# KiCad board DAB.kicad_pcb (continued)
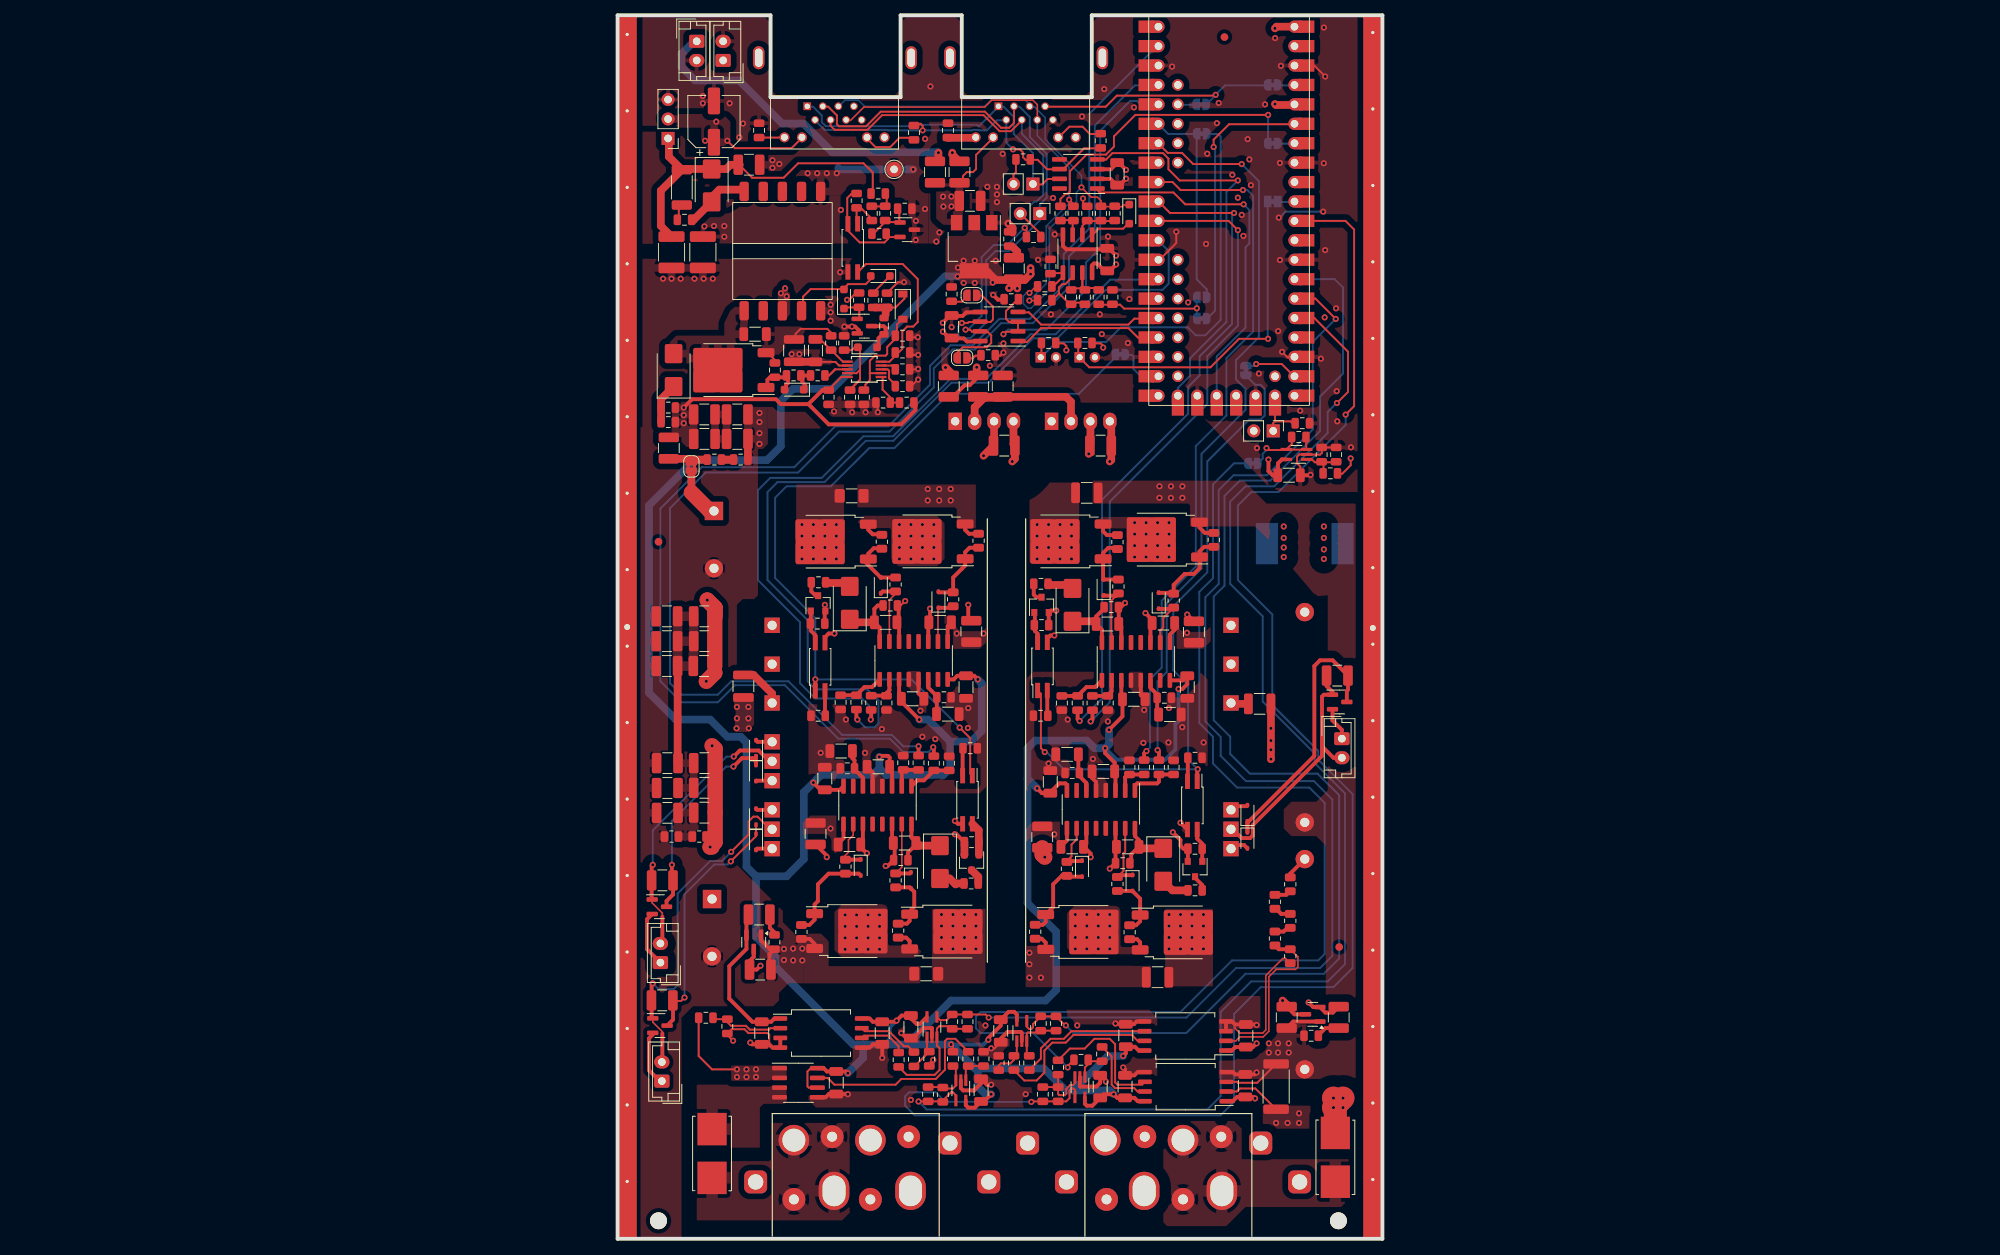
[diagram p0: board, top side]
## Routing (per net, layer and track width the routed paths; a pad name or vN(x,y) marks a point on that pad's centre or on a via; arc(x,y) is an arc through that point) (continued)
  vias: v1(54.85,93.4) v1(54.85,91.9) v1(54.85,90.4) v1(54.85,88.9) v1(56.35,93.4) v1(56.35,91.9) v1(56.35,90.4) v1(56.35,88.9) v1(57.85,93.4) v1(57.85,91.9) v1(57.85,90.4) v1(57.85,88.9) v1(59.35,93.4) v1(59.35,91.9) v1(59.35,90.4) v1(59.35,88.9) v1(72.1,42.4) v1(72.1,40.9) v1(72.1,39.4) v1(72.1,37.9) v1(73.6,42.4) v1(73.6,40.9) v1(73.6,39.4) v1(73.6,37.9) v1(75.1,42.4) v1(75.1,40.9) v1(75.1,39.4) v1(75.1,37.9) v1(76.6,42.4) v1(76.6,40.9) v1(76.6,39.4) v1(76.6,37.9)
/I_{IHighmeasured}: length 179.3
  Top w0.25: U304.4 44.23,18.77 43.85,19.15 43.6,19.15 42.52,18.08 R310.2 42.46,17.96 C322.2 39.36,17.96 v1(39.35,17.95) ; 89.85,120.41 91.1,120.41 95.5,116.01 95.5,110.74 v1(94.05,109.29)
  Bottom w0.25: v1(94.05,109.29) 94,109.29 92.85,108.14 92.85,105.4 85.85,98.4 82.1,98.4 80.1,96.4 80.1,85.65 84.35,81.4 84.35,70.25 91.15,63.45 91.15,62.2 95.1,58.25 95.1,35.9 92.85,33.65 82.85,33.65 78.85,29.65 78.85,18.65 77.1,16.9 40.4,16.9 v1(39.35,17.95)
/I_{IIHighmeasured}: length 220.1
  Top w0.25: v1(54.1,17.9) 54.16,17.96 C507.2 R508.2 58.66,17.96 59.1,18.4 59.1,19.4 59.35,19.65 59.6,19.65 59.8,19.45 U503.4 ; 88.15,133.11 95.17,133.11 96.3,131.98 96.3,108.89 v1(95.19,107.78)
  Bottom w0.25: v1(54.1,17.9) 42.85,17.9 41.6,19.15 38.1,19.15 37.6,18.65 37.6,17.4 38.85,16.15 78.85,16.15 80.6,17.9 80.6,29.4 84.1,32.9 93.6,32.9 96.1,35.4 96.1,58.15 91.6,62.65 91.6,63.8 85.6,69.8 85.6,81.65 81.1,86.15 81.1,95.9 82.85,97.65 86.41,97.65 95.19,106.44 v1(95.19,107.78)
/Low_voltage_bridge/Driver1/PWM_H: length 8.9
  Top w0.2: RGH301.1 36.35,84.35 35.54,83.54 U202.15
  Top w0.5: D301.1 34.41,84.41 34.65,84.65 RGH301.1
/Low_voltage_bridge/Driver1/PWM_L: length 6.4
  Top w0.2: D302.1 41.89,82.45 U202.10
  Top w0.5: D302.1 43.68,82.51 RGL301.1
/Low_voltage_bridge/Driver/PWM_H: length 8.8
  Top w0.2: U702.15 37.16,48.58 RGH302.1
  Top w0.5: RGH302.1 38.21,47.78 D304.1
/Low_voltage_bridge/Driver/PWM_L: length 7
  Top w0.2: U702.10 30.81,52.75 30.79,52.75 30.19,52.15 30.19,50.55 29.49,49.85
  Top w0.5: D303.1 31.76,49.58 RGL302.1
/Low_voltage_bridge/I_{IHigh}_{DGND}: length 25.5
  Top w0.25: R307.1 44.16,26.15 43.1,26.15 42.8,25.85 42.8,22.1 41.6,20.9 37.1,20.9 36.35,20.15 28.35,20.15 27.46,21.03 U301.7
/Low_voltage_bridge/SW_Node1: length 26.4
  Top w0.25: v1(37.6,83.4) 37.01,82.81 C207.2
  Top w0.5: Q301.3 32.78,92.71 33.35,92.13 34.55,92.13 ; U202.14 36.81,80.33 C206.2 36.75,80.84 36.75,82.65 C207.2
  In1.Cu w0.5: v1(37.6,83.4) 37.1,83.4 36.35,84.15 36.35,85.9 35.85,86.4 34.35,86.4 32.35,88.4 32.35,92.65 33.1,93.4 v1(36.85,93.4)
  vias: v1(36.85,91.9) v1(36.85,90.4) v1(36.85,88.9) v1(38.35,93.4) v1(38.35,91.9) v1(38.35,90.4) v1(38.35,88.9) v1(39.85,93.4) v1(39.85,91.9) v1(39.85,90.4) v1(39.85,88.9) v1(41.35,93.4) v1(41.35,91.9) v1(41.35,90.4) v1(41.35,88.9)
/Low_voltage_bridge/SW_Node2: length 17.2
  Top w0.5: RpdH302.1 37.73,39.38 38.19,38.93 Q303.3 ; v1(35.05,48.75) 35.32,48.75 C707.2 36.23,49.66 36.23,51.72 35.89,52.06 U702.14
  In1.Cu w0.5: v1(35.05,48.75) 34.25,47.95 v1(34.25,40.85)
  vias: v1(15.6,69.55) v1(15.6,68.05) v1(15.55,66.75) v1(17.1,69.55) v1(17.1,68.05) v1(17.15,66.75) v1(29.75,42.35) v1(29.75,40.85) v1(29.75,39.35) v1(29.75,37.85) v1(31.25,42.35) v1(31.25,40.85) v1(31.25,39.35) v1(31.25,37.85) v1(32.75,42.35) v1(32.75,40.85) v1(32.75,39.35) v1(32.75,37.85) v1(34.25,42.35) v1(34.25,39.35) v1(34.25,37.85)
/Low_voltage_bridge/V_{IHigh}_{GND}_{+}: length 9.7
  Top w0.25: R305.2 12.66,28.71 R306.1 14.35,28.33 14.83,27.85 16.79,27.85 17.29,27.35 19.8,27.35 19.98,27.53 U302.2
/Microcontroller/A: length 80.6
  Top w0.25: 46.97,123.33 47.65,123.33 49.07,121.91 49.07,120.21 48.74,119.88 45.91,119.88 45.79,119.76 v1(45.01,119.76) ; 26.83,148.04 27.54,148.04 28.67,146.91 28.67,145.76 28.94,145.49 32.5,145.49 34.4,147.39 48.04,147.39 50.14,145.29 51.2,145.29 51.83,145.92 51.83,148.04
  Bottom w0.25: 51.83,148.04 52.55,148.04 53.9,146.69 53.9,144.09 56.1,141.89 56.1,136.13 55.2,135.23 55.2,133.16 51.18,129.15 49.4,129.15 48.2,127.95 48.2,119.82 46.16,117.79 44.89,117.79 44.55,118.14 44.55,119.3 v1(45.01,119.76)
/Microcontroller/ADC2_IN5: length 35.4
  Top w0.25: 88.5,145.75 79.95,145.75 77.93,143.74 v1(77.93,142.77)
  Bottom w0.25: v1(77.93,142.77) 78.12,142.58 78.12,121.38 77.03,120.28
/Microcontroller/ADC3_IN12: length 2.2
  Bottom w0.25: 86.3,135.59 88.5,135.59
/Microcontroller/ADC4_IN5: length 27.7
  Bottom w0.25: 77.03,122.82 77.03,124.16 75.72,125.47 75.72,144.46 75.7,144.48 71.99,144.48 70.72,145.75
/Microcontroller/B: length 74
  Top w0.25: 44.4,115.14 44.4,115.85 45.14,116.59 48.3,116.59 48.85,117.15 48.85,118.14 48.38,118.61 46.36,118.61 46.08,118.89 v1(45.5,118.89) ; 52.85,146.26 51.43,144.84 49.95,144.84 47.85,146.94 34.59,146.94 32.68,145.03 28.37,145.03 27.85,145.56 27.85,146.26 ; v1(53.23,132.22) 53.46,131.98 53.46,130.96 53.46,130.95
  Bottom w0.25: 52.85,146.26 52.85,144.51 55.65,141.71 55.65,136.52 54.77,135.64 54.48,135.64 53.94,135.1 53.94,132.93 v1(53.23,132.22) 50.96,129.95 49.2,129.95 47.6,128.35 47.6,120.69 45.8,118.89 v1(45.5,118.89)
/Microcontroller/BOOT0: length 5.6
  Top w0.25: 85.64,105.39 85.68,105.43 85.68,106.61 85.96,106.89 ; 85.96,106.89 87.97,106.89 88.18,106.69 ; 85.96,106.89 85.96,108.59
/Microcontroller/CAN_H: length 43.9
  Top w0.25: 57.6,138.59 56.23,138.59 55.52,137.88 54.3,137.88
  Bottom w0.25: 54.3,137.88 54.3,141.99 51.79,144.5 51.79,146.73 50.48,148.04 49.8,148.04 47.22,145.46 47,145.68 39.34,145.68 39.16,145.5 32.26,145.5 32.25,145.5 27.22,145.5 26.7,146.01 26.7,146.89 25.55,148.04 24.7,148.04
/Microcontroller/CAN_L: length 46.3
  Top w0.25: 63.16,142.6 60.99,142.6 58.25,139.86 56.16,139.86 54.92,141.1 53.34,141.1 53.02,141.42 53.02,142.04 52.6,142.47 v1(51.7,142.47) ; v1(39.89,144.95) 39.89,145.55 39.64,145.81 38.6,145.81
  Bottom w0.25: 25.82,146.26 25.82,146.26 27.07,145.01 35.3,145.01 35.36,144.95 46.35,144.95 46.41,145.01 47.22,145.01 47.28,144.95 48.27,144.95 49.58,146.26 50.82,146.26 50.82,143.35 v1(51.7,142.47)
/Microcontroller/DAC2: length 2.3
  Bottom w0.25: 86.36,143.19 86.3,143.19 86.32,143.21 88.5,143.21
/Microcontroller/FDCAN2_{RX}: length 52.7
  Top w0.25: v1(81.1,138.4) 73.48,138.4 72.02,139.86 72.02,141.26 71.31,141.97 64.7,141.97 63.86,141.13 62.55,141.13
  Bottom w0.25: 73.26,110.19 73.26,111.27 74.85,112.86 74.85,115.15 79.6,119.9 79.6,136.9 v1(81.1,138.4)
/Microcontroller/FDCAN2_{TX}: length 47.3
  Top w0.25: v1(81.85,135.28) 74.22,135.28 72.67,136.83 63.04,136.83 62.55,137.32
  Bottom w0.25: 78.34,110.19 78.34,115.39 82.1,119.15 82.1,129.65 82.6,130.15 82.6,134.53 v1(81.85,135.28)
/Microcontroller/HRTIM_SYNC: length 57.7
  Top w0.25: 55.9,148.04 63.82,148.04 65.27,149.49 78.09,149.49 v1(78.2,149.6)
  In2.Cu w0.25: 30.9,148.04 48.25,148.04 49.09,147.2 55.05,147.2 55.9,148.04
  Bottom w0.25: 76.95,148.29 78.2,149.54 ; v1(78.2,149.6) 78.2,149.62 79.41,150.83 85,150.83
/Microcontroller/PB1_HRTIM_SCOUT: length 2.2
  Bottom w0.25: 88.5,150.83 86.3,150.83
/Microcontroller/PB2_HRTIM_SCIN: length 2.4
  Bottom w0.25: 75.65,148.29 73.26,148.29
/Microcontroller/PC12: length 6.8
  Top w0.25: 69,112.71 69.35,112.71
  Bottom w0.25: 66.38,115.59 67.23,115.59 67.45,115.37 67.45,113.74 68.46,112.73 70.72,112.73
/Microcontroller/PC13: length 7.1
  Top w0.25: v1(83.5,114.39) 86.84,114.39 88.5,112.73
  Bottom w0.25: 82.15,114.14 83.25,114.14 v1(83.5,114.39)
/Microcontroller/SHARE+: length 70.7
  Top w0.2: 63.2,134.97 63.2,135.75 62.74,136.2 61.94,136.2 v1(60.65,137.49) ; v1(53.85,123.69) 54.65,124.49 54.91,124.49 ; 66.9,135.19 66.21,135.19 65.99,134.98 63.71,134.98
  Bottom w0.2: 28.86,148.04 29.72,148.9 31.49,148.9 32.3,148.09 48,148.09 48.81,148.91 53.29,148.91 53.86,148.33 53.86,148.04 54.49,148.04 55.9,146.63 55.9,143.8 60.65,139.05 v1(60.65,137.49) 60,136.84 60,135.64 56.45,132.09 56.45,124.09 54.05,121.69 53.65,121.69 53.05,122.29 53.05,123.29 53.45,123.69 v1(53.85,123.69)
/Microcontroller/SHARE-: length 58.1
  Top w0.2: 59.6,134.97 59.6,135.32 v1(59.03,135.89) ; 54.88,146.26 54.88,148.31 54.29,148.9 48.91,148.9 48,147.99 32.2,147.99 30.47,146.26 29.88,146.26 ; v1(53.84,122.69) 53.84,122.69 54.91,122.69
  Bottom w0.2: 54.88,146.26 54.88,144.25 59.03,140.1 v1(59.03,135.89) 59.03,135.42 56.05,132.44 56.05,124.9 53.84,122.69 v1(53.84,122.69)
/Microcontroller/Temp: length 54.3
  Top w0.25: 55.32,115.22 55.41,115.31 55.41,117.09
  Bottom w0.25: 55.32,115.22 57.38,117.27 63.88,117.27 65.8,119.19 74.56,119.19 75.6,118.15 76.85,118.15 78.85,120.15 78.85,144.14 78.52,144.47 77.03,144.47 77.02,144.46
/Microcontroller/Temp2: length 46.8
  Top w0.25: 60.41,115.22 61.67,113.96 77.52,113.96 81.25,117.69 v1(85.05,117.69) ; 60.23,114.99 60.23,117.03 60.16,117.09
  Bottom w0.25: 85,135.59 85,117.74 v1(85.05,117.69)
/Microcontroller/USART3_DE: length 53.3
  Top w0.25: 68.74,147.91 69.12,148.29 69.33,148.29 69.35,148.27 ; v1(50.45,118.29) 50.77,118.61 52.35,118.61 52.35,119.88 51.21,119.88 50.77,120.32 50.77,121.31 52.27,122.81 52.41,122.81
  Bottom w0.25: 70.72,148.29 68.42,148.29 67.92,148.79 67,148.79 63.1,144.89 63.1,129.54 61.25,127.69 61.25,124.09 56.05,118.89 51.05,118.89 v1(50.45,118.29)
/Microcontroller/USART3_RX: length 17.7
  Top w0.25: 52.78,117.28 53.54,117.28 55.36,119.09 66.79,119.09 68.02,117.86 69.25,117.86
/Microcontroller/USART3_TX: length 18
  Top w0.25: 69.35,120.33 67.57,120.33 66.78,119.54 55.39,119.54 53.78,121.15 52.35,121.15
/PWM_H1: length 114.9
  Top w0.5: R201.1 31.22,68.03 v1(31.35,67.9)
  Bottom w0.25: v1(31.35,67.9) 32.35,66.9 33.6,66.9 34.1,67.4 34.1,70.4 32.65,71.85 25.9,71.85 24.85,72.9 24.85,80.9 19.6,86.15 19.6,97.65 20.9,98.95 27.06,98.95 32.46,104.35 36.05,104.35 43.65,111.95 48.51,111.95 54.33,117.77 57.5,117.77 63.82,124.09 71.25,124.09 72.05,124.89 72.05,129.18 70.72,130.51
/PWM_H2: length 168.2
  Top w0.5: v1(41.27,64.28) 41.35,64.19 R701.1
  Bottom w0.25: v1(41.27,64.28) 40.64,63.65 37.35,63.65 35.6,65.4 28.85,65.4 21.85,72.4 15.35,72.4 13.1,70.15 8.35,70.15 5.6,72.9 5.6,95.5 11,100.9 23.1,100.9 28.45,106.25 35.4,106.25 40.84,111.68 40.84,114.15 43.52,116.84 46.46,116.84 49.91,120.29 53.9,120.29 58.33,124.73 58.33,128.78 61.67,132.11 61.67,147.1 70.48,155.91 70.72,155.91
/PWM_H3: length 86.8
  Top w0.25: v1(80.6,134.15) 72.22,134.15 U401.10
  Top w0.5: v1(60.41,67.71) 60.15,67.98 R901.1
  Bottom w0.25: v1(80.6,134.15) 80.35,133.9 80.35,119.65 76.1,115.4 76.1,112.9 74.6,111.4 74.6,107.9 63.35,96.65 63.35,70.65 v1(60.41,67.71)
/PWM_H4: length 97.5
  Top w0.25: 70.72,143.21 71.93,142 73.8,142 75.26,140.54 v1(81.6,140.54)
  Top w0.5: R801.1 70.78,63.72 v1(70.6,63.9)
  Bottom w0.25: v1(81.6,140.54) 83.85,138.29 83.85,117.9 80.85,114.9 80.85,112.4 82.1,111.15 82.1,108.4 76.35,102.65 76.35,87.65 71.8,83.1 71.8,74.1 70.6,72.9 v1(70.6,63.9)
/PWM_L1: length 104.7
  Top w0.5: R202.1 33.16,67.96 v1(33.1,67.9)
  Bottom w0.25: 70.72,125.43 64.41,125.43 57.27,118.29 54.02,118.29 48.18,112.45 43.51,112.45 36.01,104.95 32.14,104.95 26.69,99.5 19.95,99.5 18.35,97.9 18.35,86.15 23.85,80.65 23.85,72.65 25.85,70.65 31.96,70.65 33.1,69.51 v1(33.1,67.9)
/PWM_L2: length 160.1
  Top w0.5: R702.1 v1(39.35,64.4)
  Bottom w0.25: v1(39.35,64.4) 37.35,64.4 35.85,65.9 29.35,65.9 22.35,72.9 14.85,72.9 13.1,71.15 8.35,71.15 6.85,72.65 6.85,95.55 11.5,100.2 23.6,100.2 28.95,105.55 35.55,105.55 41.35,111.35 41.35,113.84 43.8,116.29 46.7,116.29 50.15,119.74 54.3,119.74 59.02,124.46 59.02,128.46 62.4,131.84 62.4,145.59 67.64,150.83 70.72,150.83
/PWM_L3: length 84.7
  Top w0.25: U401.11 79.89,133.11 v1(81.1,131.9)
  Top w0.5: R902.1 62.09,67.89 v1(61.85,67.65)
  Bottom w0.25: v1(81.1,131.9) 81.1,119.4 77.1,115.4 77.1,109.16 64.35,96.41 64.35,70.15 v1(61.85,67.65)
/PWM_L4: length 92.8
  Top w0.25: U401.9 72.56,138.19 73.6,137.15 v1(81.77,137.15)
  Top w0.5: R802.1 68.84,63.47 v1(69.15,63.78)
  Bottom w0.25: v1(69.15,63.78) 69.6,64.23 69.6,73.15 71.15,74.7 71.15,83.45 75.6,87.9 75.6,103.65 79.6,107.65 79.6,115.15 83.1,118.65 83.1,136.4 82.35,137.15 v1(81.77,137.15)
/V_{IBus}: length 44.6
  Top w0.25: v1(15.6,22.15) 12.35,22.15 10.6,23.9 R305.1
  Top w1: JP5001.1 9.65,97.6
  Top w2: C310.1 12.7,82.55 v1(11.73,83.53) 12.75,82.5 C306.1 ; v1(11.6,72.9) 12.7,74 12.7,74.1 ; 9.65,97.6 12.07,95.18 C304.1 ; v1(12.35,64.48) 12.75,64.08 C314.1 12.75,51.88 v1(12.1,51.22) 12.35,51.22
  vias: v1(15.6,21.15) v1(16.85,22.15) v1(16.85,21.15) v1(18.1,22.15) v1(18.1,21.15) v1(24.1,93.4) v1(24.1,91.9) v1(24.1,90.4) v1(24.1,88.9) v1(25.6,93.4) v1(25.6,91.9) v1(25.6,90.4) v1(25.6,88.9) v1(27.1,93.4) v1(27.1,91.9) v1(27.1,90.4) v1(27.1,88.9) v1(28.6,93.4) v1(28.6,91.9) v1(28.6,90.4) v1(28.6,88.9) v1(42.35,42.4) v1(42.35,40.9) v1(42.35,39.4) v1(42.35,37.9) v1(43.85,42.4) v1(43.85,40.9) v1(43.85,39.4) v1(43.85,37.9) v1(45.35,42.4) v1(45.35,40.9) v1(45.35,39.4) v1(45.35,37.9) v1(46.85,42.4) v1(46.85,40.9) v1(46.85,39.4) v1(46.85,37.9)
/V_{IHighmeasured}: length 165.8
  Top w0.25: v1(48.52,28.93) 48.12,29.33 C305.2 R304.2 43.01,28.59 42.17,28.59 U303.4 ; v1(93.9,120.29) 91.24,122.95 89.85,122.95
  Bottom w0.25: v1(48.52,28.93) 74.38,28.93 80.85,35.4 91.85,35.4 93.45,37 93.45,57.45 91.05,59.85 82.15,59.85 78.85,63.15 78.85,65.65 76.85,67.65 76.85,83.9 78.6,85.65 78.6,97.9 80.55,99.85 84.91,99.85 90.9,105.84 90.9,117.29 v1(93.9,120.29)
/V_{IIHighmeasured}: length 163.5
  Top w0.25: v1(58.6,27.9) 58.51,27.9 R507.2 C506.2 54.32,28.09 54.32,27.65 54.1,27.43 53.8,27.43 53.5,27.72 U504.4
  Bottom w0.25: v1(58.6,27.9) 59.6,26.9 74.35,26.9 82.1,34.65 92.35,34.65 94.35,36.65 94.35,58 91.53,60.83 82.68,60.83 80.1,63.4 80.1,65.65 77.95,67.8 77.95,84 79.35,85.4 79.35,97.15 81.35,99.15 85.35,99.15 91.85,105.65 91.85,110.15 94.85,113.15 94.85,124.4 93.76,125.49 U401.27
/~{STBY1}: length 107.9
  Top w0.25: v1(44.72,66.85) 46.1,65.47 46.1,60.85 U701.1
  Top w0.5: U201.1 v1(25.85,73.15)
  Bottom w0.25: v1(44.72,66.85) 38.42,73.15 v1(25.85,73.15) 25.85,81.15 20.6,86.4 20.6,96.9 22.1,98.4 27.89,98.4 32.89,103.4 36.2,103.4 43.3,110.5 60.31,110.5 65.05,115.24
/~{STBY2}: length 91.1
  Top w0.25: U901.1 55.35,71.27 55.35,64.15 v1(55.85,63.65)
  Top w0.5: U801.1 75.78,61.34 v1(75.85,61.4)
  Bottom w0.25: JP412.1 83.38,111.68 84.07,111.68 84.6,111.15 84.6,107.65 84.1,107.15 82.6,107.15 77.1,101.65 77.1,87.15 72.65,82.7 72.65,74.35 74.6,72.4 74.6,62.65 v1(75.85,61.4) 58.35,61.4 56.1,63.65 v1(55.85,63.65)
Vref_{DGND}: length 146.1
  Top w0.25: v1(58.85,22.4) 58.85,22.59 R506.1
  Bottom w0.25: JP5002.2 80.6,101.4 77.85,98.65 77.85,86.4 76.05,84.6 76.05,67.45 77.85,65.65 77.85,62.15 81,59 90.45,59 92.45,57 92.45,37.25 91.6,36.4 80.35,36.4 73.6,29.65 47.48,29.65 46.85,29.03 46.85,27.53 47.48,26.9 54.35,26.9 v1(58.85,22.4)
Net-(C101-Pad2): length 6
  Top w1: 16.45,73.73 17.77,73.73 20.2,71.3 T101.3
Net-(C102-Pad1): length 2.3
  Top w1: C102.1 80.32,69.95 T101.12
Net-(C306-Pad2): length 13.5
  Top w1: 7.9,74.1 7.85,74.15 C311.1 7.85,62.25 C313.1
Net-(C411-Pad1): length 7.5
  Top w0.25: 62.9,124.33 61.18,124.33 61.1,124.26 60.77,124.59 60.77,126.28 60.77,124.29 59.3,124.29
Net-(C1001-Pad2): length 2.9
  Top w0.5: C1001.2 19.91,40.66 20.51,40.06 R1001.2
Net-(C5002-Pad2): length 1.6
  Top w1: C5002.2 C5003.1
Net-(C5014-Pad2): length 1.8
  Top w1: 51.65,129.71 52.26,129.1 52.26,128.18
Net-(C5018-Pad2): length 3
  Top w0.5: 91.62,26.62 92.55,27.55 C5018.2
Net-(C5026-Pad2): length 2.2
  Top w0.25: 8,133.25 8,134.58 8.6,135.18
Net-(D201-A): length 3.3
  Top w1: D201.2 29.9,85.76 27.2,85.76
Net-(D201-K): length 9.3
  Top w0.5: U202.16 34.27,79.92 33.57,80.61 33.57,82.38 34.01,82.81 C207.1
  Top w1: D201.1 30.75,80.61 33.57,80.61
Net-(D301-A): length 8.1
  Top w0.5: 31.99,88.89 34.38,86.5 D301.2 34.44,86.48 RGH301.2 ; Q301.1 32.78,89.59 33.49,90.31 34.55,90.31
Net-(D302-A): length 9.9
  Top w0.5: RpdL301.2 46.02,90.37 45.44,89.8 Q302.1 45.44,88.04 43.88,86.48 RGL301.2 42.02,84.54 D302.2
Net-(D303-A): length 13.1
  Top w0.5: D303.2 31.54,47.75 RGL302.2 27.59,47.75 26.19,46.35 26.19,44.15 25.76,43.72 Q304.1 25.76,41.72 25.07,41.03 RpdL302.2
Net-(D304-A): length 7.8
  Top w0.5: RGH302.2 38.21,45.95 D304.2 38.79,45.38 38.79,43.43 38.35,42.99 ; Q303.1 38.19,41.58 37.82,41.21 RpdH302.2
Net-(D403-A): length 5.4
  Top w0.25: 62.04,131.23 62.9,132.09 66.1,132.09 66.8,132.79
Net-(D501-A): length 7.9
  Top w0.5: RGH501.2 67.32,45.48 68.32,44.47 Q501.1 68.32,41.53 67.8,41 RpdH501.2
Net-(D502-A): length 11.2
  Top w0.5: RpdL501.2 55.6,41.06 55.98,41.44 Q502.1 56.95,43.38 56.95,46.35 58.16,47.56 58.73,47.56 58.94,47.35 D502.2
Net-(D503-A): length 7.7
  Top w0.5: RpdH502.2 65.19,90.35 64.15,90.35 63.48,89.68 Q503.1 63.48,88.91 63.48,86.2 63.49,86.21 RGH502.2
Net-(D504-A): length 11.8
  Top w0.5: 70.71,84.47 72.61,84.47 RGL502.2 72.71,85.51 74.15,86.95 75.35,86.95 76.08,87.68 Q504.1 76.08,89.88 76.69,90.49 RpdL502.2
Net-(D601-K): length 27.4
  Top w0.5: v1(15.15,61.75) 16.25,62.85 17.65,62.85 18.1,62.4 ; 18.1,62.4 D602.1 ; 18.1,62.4 D601.1 ; U601.3 6.4,44.17 7.25,45.02 C601.1 7.1,47.02 v1(7.1,48.9)
  Bottom w0.25: v1(15.15,61.75) 14.2,61.75 7.1,54.65 v1(7.1,48.9)
Net-(D603-K): length 32.9
  Top w0.25: v1(8.75,31.55) 8.3,31.1 7.25,31.1 ; 18.1,54.15 D604.1 18.1,52.65 v1(14.8,49.35)
  Top w0.5: 7.25,31.1 7.25,28.65 U602.3 ; v1(14.8,49.35) 14.95,49.35
  Bottom w0.25: v1(14.8,49.35) 14.4,48.95 12.65,48.95 8.75,45.05 v1(8.75,31.55)
Net-(D605-K): length 35.9
  Top w0.5: U603.3 95.35,71.65 95.5,71.8 C603.1 93.5,75.65 91.85,75.65 91.1,74.9 91.1,63.15 82.35,54.4 82.35,53.16 D605.1
Net-(D701-A): length 3.5
  Top w1: R706.2 44.3,46.46 44.19,46.35 43.43,47.11 D701.2
Net-(D701-K): length 8.6
  Top w0.5: C707.1 37.96,50.51 39.18,51.72 38.43,52.47 U702.16
  Top w1: D701.1 39.49,51.41 39.18,51.72
Net-(D801-A): length 3.7
  Top w1: R806.2 72.54,45.56 D801.2
Net-(D801-K): length 8.6
  Top w0.5: U802.16 67.64,52.66 68.19,52.11 68.19,51.31 67.15,50.26 67.15,49.28 C807.1
  Top w1: D801.1 68.45,51.05 68.19,51.31
Net-(D901-A): length 3.4
  Top w1: 56.29,85.5 59.03,85.5 D901.2
Net-(D901-K): length 8.7
  Top w0.5: 63.79,82.59 62.57,81.39 62.57,80.4 63.32,79.65 U902.16
  Top w1: 62.57,80.4 62.22,80.75 D901.1
Net-(D5001-A): length 14
  Top w0.25: 32.4,110.98 32.4,111.69 32.98,112.27 32.98,113.19 ; 34.65,113.19 32.98,113.19 32.98,113.19 ; 32.98,113.19 32.98,114.82 33.65,115.49 35.05,115.49 35.25,115.69 35.25,116.63 36.51,117.89 36.51,119.56 37.2,120.24 37.5,120.24
Net-(D5002-A): length 4.9
  Top w0.5: 33.41,119.34 34.8,119.34 35.05,119.09 35.04,119.08 35.04,118.28 34.64,118.28 34.12,117.76 34.12,116.57
Net-(D5003-A): length 8
  Top w0.25: 20.35,112.6 22.01,112.6 22.31,112.89
  Top w0.5: 22.03,111.03 22.03,111.67 22.28,111.92 22.28,112.89 22.05,112.66 19.92,112.66 19.59,112.32 19.59,111.33 19.61,111.31
Net-(D5003-K): length 3.3
  Top w0.5: 25.43,112.89 24.16,112.89 24.16,112.03 24.53,111.65 24.53,111.03
Net-(D5004-K): length 5.3
  Top w1: D5004.1 5.68,109.81 R5013.2
Net-(D5005-A): length 11.3
  Top w0.25: 24.25,122.15 24.25,123.2 25.24,124.19 29.5,124.19 30.15,124.84 32.45,124.84 33.3,125.69 33.3,125.89
Net-(D5005-K): length 3.2
  Top w0.25: 35.8,125.89 35.6,125.89 33.8,124.09 33.8,123.63
Net-(D5006-K): length 3.2
  Top w0.25: 31.6,121.66 31.46,121.79 29.95,121.79 29.75,121.59 ; 31.6,121.56 31.6,120.39
Net-(D5007-A): length 8.9
  Top w1: C5026.1 9.96,133.26 D5007.2 12.3,136.2 13.3,137.2 16.31,137.2 T5001.6
Net-(J403-Pad9): length 3.3
  Top w0.25: J403.9 21.79,144.01 R403.2
Net-(J403-Pad11): length 7.1
  Top w0.25: 32.51,143.98 33.72,142.77 35.65,142.77 36.86,143.98 38.6,143.98
Net-(J404-Pad9): length 3.5
  Top w1: 43.2,143.98 43.2,143.98 46.72,143.98
Net-(J404-Pad11): length 6.6
  Top w0.25: 57.61,143.98 59.06,145.43 60.79,145.43 61.75,144.47 63.16,144.47
Net-(JP401-B): length 3.4
  Top w0.25: 51.77,137.88 51.77,139.18 52.08,139.5 52.08,141.1
Net-(JP403-B): length 4.2
  Top w0.25: 52.63,134.08 55.24,131.48 55.24,131.05 55.33,130.95
Net-(JP408-A): length 2.3
  Top w0.25: 45.68,123.21 45.01,122.54 43.68,122.54
Net-(JP409-B): length 2
  Top w0.25: 45.7,115.14 46.46,115.14 46.81,115.49 47.51,115.49
Net-(JP410-B): length 15.6
  Top w0.25: 62.9,122.16 65.71,122.16 66.22,121.64 75.69,121.64 v1(75.73,121.68)
  Bottom w0.25: 75.73,120.28 75.73,122.82
Net-(JP417-B): length 38.9
  Top w0.25: v1(85.06,146.97) 67.7,146.97 64.9,144.17 64.9,142.83 63.85,141.78 61.31,141.78 59.15,139.62 59.15,136.95 58.84,136.64 58.56,136.64 57.9,135.98 57.9,134.97
  Bottom w0.25: v1(85.06,146.97) 85.06,146.97 85.06,143.19
Net-(JP5001-B): length 5.3
  Top w1: L5001.1 9.3,102 JP5001.2 9.9,101.9 C5002.1
Net-(JP5002-A): length 12.2
  Top w0.25: 87.66,103.19 86.85,103.19 89.51,103.19 ; v1(84.85,103.4) 85.1,103.15 87.37,103.15 88.16,103.95 88.16,104.84 ; 90.04,104.84 90.04,103.31 90.13,103.22
  Bottom w0.25: JP5002.1 84.35,102.03 84.35,102.65 84.85,103.15 v1(84.85,103.4)
Net-(L101-Pad1): length 21.3
  In3.Cu w2: v1(92.35,93.15) 92.35,89.4 88.5,85.55 82.75,85.55 80.21,83.01 T101.10
  vias: v1(92.35,91.65) v1(92.35,90.15) v1(92.35,88.9)
Net-(PS1001-+Vin): length 21
  Top w1: 48.7,110.1 C5027.1 ; PS1001.2 46.68,108.73 48.05,110.1 ; 49.7,110.1 58.64,110.1 59.28,109.46 PS5001.2 ; 47.6,109.99 50.8,109.99
Net-(Q201-D): length 2.3
  Top w0.5: R206.1 25.33,84.66 25.89,84.1 Q201.3
Net-(Q201-G): length 4.4
  Top w0.5: U201.4 25.85,78.94 25.26,79.53 Q201.1
Net-(Q701-D): length 2.1
  Top w1: R706.1 47.16,47.34 Q701.3
Net-(Q701-G): length 4.4
  Top w1: 46.38,54.27 47.23,53.43 R705.1 47.24,51.85 Q701.1
Net-(Q801-D): length 2.2
  Top w0.5: Q801.3 75.5,47.2 76.44,46.26 R806.1
Net-(Q801-G): length 4.4
  Top w0.5: Q801.1 76.44,49.36 R805.1 76.44,51.66 75.78,52.31 U801.4
Net-(Q901-D): length 2.6
  Top w0.5: Q901.3 54.75,83.9 54.41,84.24 R906.1
Net-(Q901-G): length 4.1
  Top w0.5: U901.4 54.91,79.14 54.56,79.49 54.56,81.82 Q901.1
Net-(Q5002-S): length 8
  Top w0.25: 28.12,118.08 28.12,118.29 27.42,118.99 23.92,118.99 23.27,118.34 23.27,117.61 ; 20.77,114.71 19.61,115.87
Net-(R204-Pad1): length 3.3
  Top w0.5: U201.2 27.12,68.44 R204.1
Net-(R704-Pad1): length 3.6
  Top w0.5: R704.1 45.12,64.1 U701.2
Net-(R804-Pad1): length 3.1
  Top w0.5: R804.1 74.56,59.86 U801.2
Net-(R904-Pad1): length 3.3
  Top w0.5: R904.1 56.18,68.46 U901.2
Net-(R5018-Pad1): length 3.4
  Top w0.25: 35.19,136.68 35.19,135 33.44,135
Net-(R5018-Pad2): length 5
  Top w0.25: 31.59,132.84 31.25,133.18 31.25,134.62 31.57,134.94 31.68,134.94 33.44,133.18
Net-(Rv501-Pad2): length 2.2
  Top w0.5: Rv502.1 87.43,44.97 87.89,45.44 Rv501.2
Net-(Rv502-Pad2): length 2.3
  Top w0.5: Rv502.2 86.1,43.15 86.76,42.49 Rv503.1
Net-(Rv503-Pad2): length 2.2
  Top w0.5: Rv504.1 87.07,40.18 87.56,40.66 Rv503.2
Net-(U202-DT): length 5
  Top w0.5: U202.6 40.62,72.08 41.74,70.97 R203.2 41.74,68.65 C205.1
Net-(U202-INA): length 6
  Top w0.5: C203.2 R201.2 32.28,72.15 33.27,72.15 U202.1
Net-(U202-INB): length 4.3
  Top w0.5: R202.2 35.15,71.03 C204.1 35.16,71.36 35.55,71.75 35.54,71.76 U202.2
Net-(U302-VOUTN): length 6.4
  Top w0.25: U302.6 32.23,26.56 35.37,26.56 36.75,25.18 R302.1
Net-(U302-VOUTP): length 8.1
  Top w0.25: R301.1 37.99,25.18 37.44,25.18 35.46,27.15 32.31,27.15 U302.7
Net-(U303-+): length 4.8
  Top w0.25: 40.45,25.91 40.45,24.31 40.1,23.96 ; R303.2 38.81,22.54
Net-(U303--): length 15.4
  Top w0.25: R302.2 37.79,21.44 41.46,21.44 42.1,22.08 42.1,24.9 41.75,25.25 41.75,25.91 ; C305.1 R304.1 43.41,27.79 42.05,27.79 41.75,27.49 U303.3
Net-(U304-+): length 4
  Top w0.25: R309.1 R307.2 45.53,22.26 U304.1
Net-(U304--): length 6.6
  Top w0.25: R308.2 44.23,22.2 U304.3 44.23,20.03 43.85,19.65 42.65,19.65 R310.1 42.46,19.84 C322.1
Net-(U406A-+): length 3.8
  Top w0.25: 59.5,131.23 59.5,132.89 59.3,133.09 ; 57.63,133.22 59.5,133.22
Net-(U406A--): length 5.9
  Top w0.25: 60.77,131.23 60.77,132.46 61.4,133.09 ; 61.29,133.13 61.32,133.09 64.96,133.09 64.99,133.13
Net-(U406B-+): length 4.2
  Top w0.25: 56.7,126.16 56.6,126.16 56.73,126.28 58.23,126.28 58.23,125.82 56.9,124.49 56.79,124.49
Net-(U406B--): length 9
  Top w0.25: 57.7,123.64 57.7,124.4 58.14,124.84 58.54,124.84 59.5,125.8 59.5,126.28 ; 57.7,123.64 58.85,122.49 59.5,122.49 ; 57.7,123.64 57.7,123.59 56.8,122.69 56.79,122.69 ; 59.9,122.42 61.66,122.42
Net-(U501-VOUTN): length 18.1
  Top w0.25: U501.6 68.57,20.15 65.35,20.15 65.05,20.45 65.05,25.45 64.35,26.15 62.35,26.15 61.07,24.87 59.13,24.87 R503.1
Net-(U501-VOUTP): length 10.6
  Top w0.25: 63.04,25.4 64.6,23.84 64.6,20.15 65.05,19.7 67.55,19.7 68,19.25 68.95,19.25
Net-(U502-VOUTN): length 18
  Top w0.25: R504.1 55.35,23.58 55.35,24.9 56.6,26.15 58.35,26.15 59.35,27.15 U502.6
Net-(U502-VOUTP): length 22.1
  Top w0.25: R501.1 53.18,20.7 54.79,20.7 55.8,21.71 55.8,24.6 56.85,25.65 58.6,25.65 59.6,26.65 67.23,26.65 68,25.88 U502.7
Net-(U503-+): length 4.3
  Top w0.25: R502.2 61.73,23.21 R506.2 61.54,22.84 61.1,22.4 U503.1
Net-(U503--): length 8.6
  Top w0.25: R503.2 R508.1 ; R508.1 57.6,18.9 57.73,18.78 58.48,18.78 58.65,18.95 58.65,19.59 59.16,20.1 59.55,20.1 59.8,20.35 U503.3 ; R508.1 C507.1
Net-(U504-+): length 5.5
  Top w0.25: U504.1 52.2,24.3 R501.2 51.82,23.4 51.35,22.93 50.1,22.93 49.82,22.65 R505.2
Net-(U504--): length 7
  Top w0.25: R507.1 C506.1 55.09,26.97 53.65,26.97 53.5,26.83 U504.3 53.5,24.25 R504.2
